# KiCad board d-lev-io-rounded.kicad_pcb (continued)
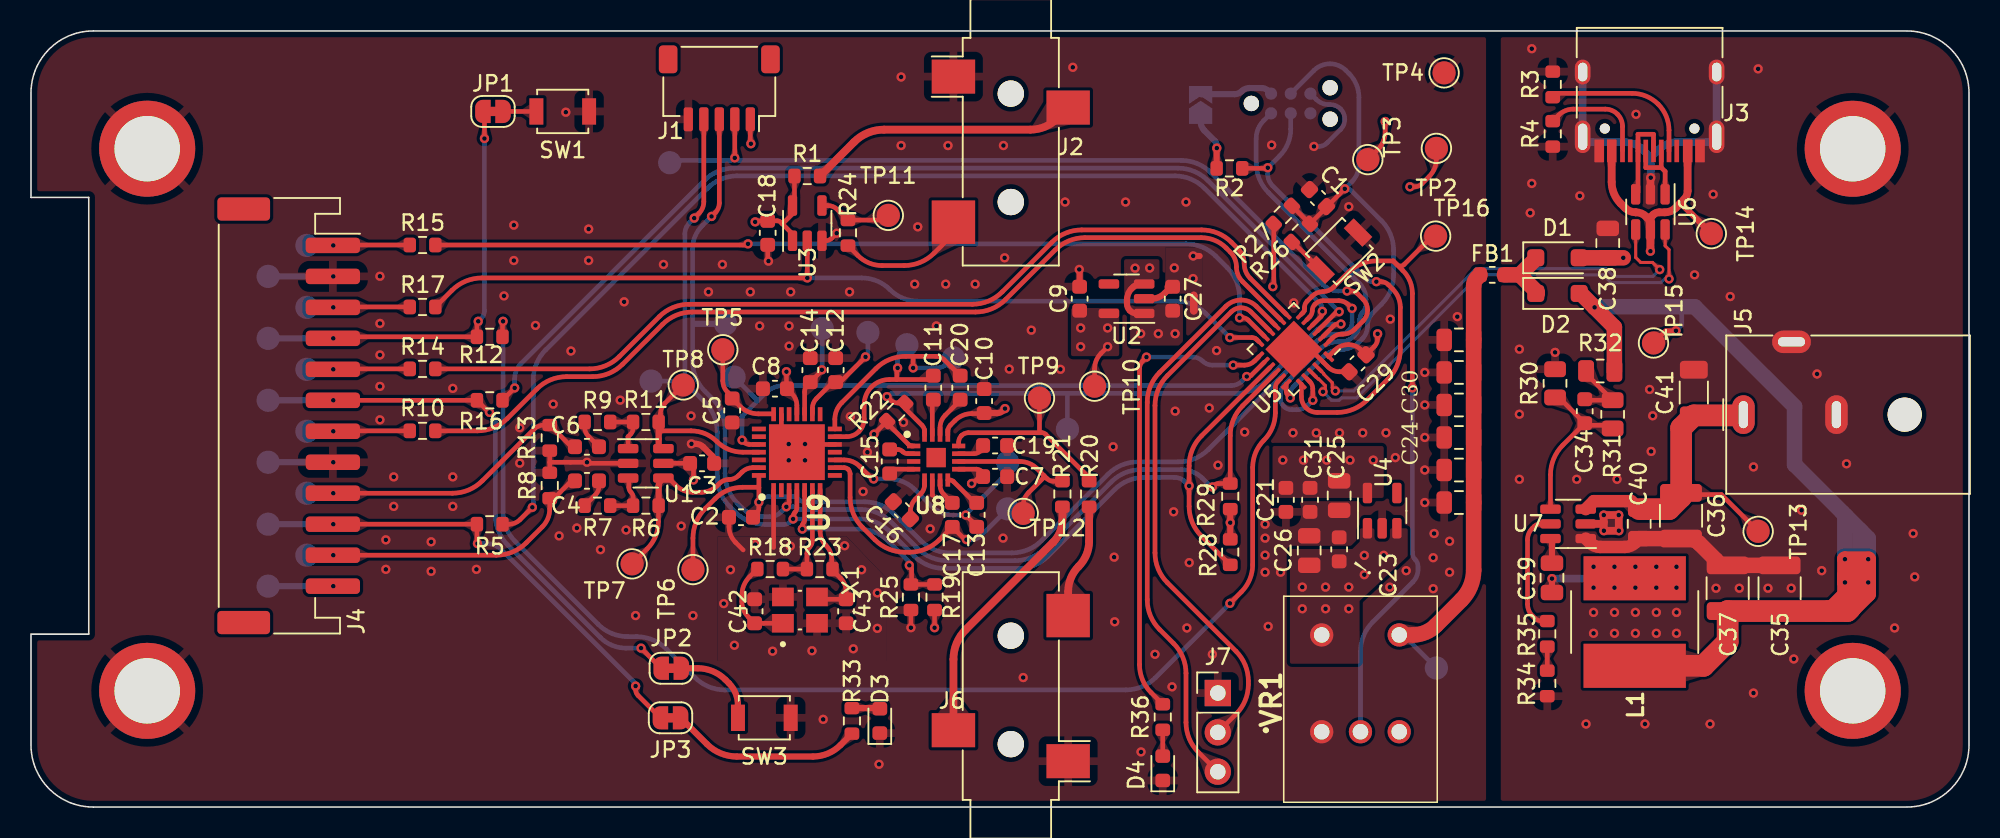
[diagram p0: board, top side]
## Routing (per net, layer and track width the routed paths; a pad name or vN(x,y) marks a point on that pad's centre or on a via; arc(x,y) is an arc through that point) (continued)
Net-(U9-VREF): length 6.5
  Top w0.3: v1(53.82,29.06) 52.2,27.43 ; 50.4,25.36 50.4,25.73 arc(50.46,26.08) 50.66,26.38 51.72,27.43
  Bottom w0.3: v1(53.82,29.06) 53.9,29.14 arc(53.96,29.22) 53.98,29.32 TP23.1
Net-(U9-VREG): length 6
  Top w0.3: U9.17 49.9,26.81 arc(49.94,27.05) 50.08,27.25 C14.2 50.99,28.16 arc(51,28.18) 51.01,28.2 v1(51.01,28.23)
  Bottom w0.3: TP22.1 51.03,28.27 arc(51.03,28.26) 51.02,28.24 v1(51.01,28.23)

## Copper pours and planes (outline as drawn; the poured copper is in the pictures)
+3.3VA on Top: 67.08,29.11 67.08,32.21 70.18,32.21 70.18,29.11
+3.3VA on In2.Cu: 40.74,8.16 40.74,32.25 70.79,32.25 70.79,8.12
+3V3 on Top: 87.25,19.96 80.07,19.96 80.07,23.31 87.25,23.31
+3V3 on In2.Cu: 75.18,17.56 75.18,43.59 91,43.59 90.99,17.57
GND on Top: 44.29,17.46 49.62,17.46 52.59,17.48 55.15,14.81 55.15,9.43 44.29,9.43
GND on Top: 73.16,33.15 73.16,36.12 75.53,36.12 75.53,33.15
GND on Top, Bottom, In1.Cu: 131.65,53.89 131.65,-35.85 -93.56,-35.85 -93.56,53.89
GND on Top, Bottom, In1.Cu, In2.Cu: 124.91,-1.71 94.36,-1.71 94.36,51.95 124.91,51.95
GND on Bottom: 131.55,62.46 131.55,-35.83 -93.66,-35.83 -93.66,62.46
VDD on Top: 72.41,34.07 70.51,32.99 70.5,35.37 72.78,35.37 72.78,34.07
VDD on Top: 85.7,18 85.7,17.13 85.22,16.66 81.2,16.66 81.2,9.25 85.69,9.25 85.69,13.3 88.8,16.2 88.8,18
VDD on Top: 70.89,29.79 70.89,32.47 74.3,32.47 74.3,29.79
VDD on In2.Cu: -0.95,-1.25 -0.95,53.68 93.84,53.68 93.84,-1.25
Net-(U7-SW) on Bottom: 102.99,16.39 106.76,16.39 106.76,13.26 100.06,13.26 100.06,16.39 100.79,16.39 100.79,19.56 102.99,19.56

Small or netless copper shapes (teardrops, artwork), in the pictures only: 274 on Top, 97 on Bottom, 1 on In2.Cu

## Text on the board
User.Drawings: PCB3D_TL_d-lev-io | PCB3D_BR_d-lev-io
F.Silkscreen: C24-C30 | !
